# Altium PCB Remote.PcbDoc (part 1 of 2)
Units mm, origin at the board's own origin, x right, y up, seen from the top; angles counter-clockwise.
Board outline 100 x 100 mm, 2 copper layers (Top Layer, Bottom Layer); 130 components, 79 nets, 375 pads, 307 vias.
Unrouted connection lines stored in the file: 69.
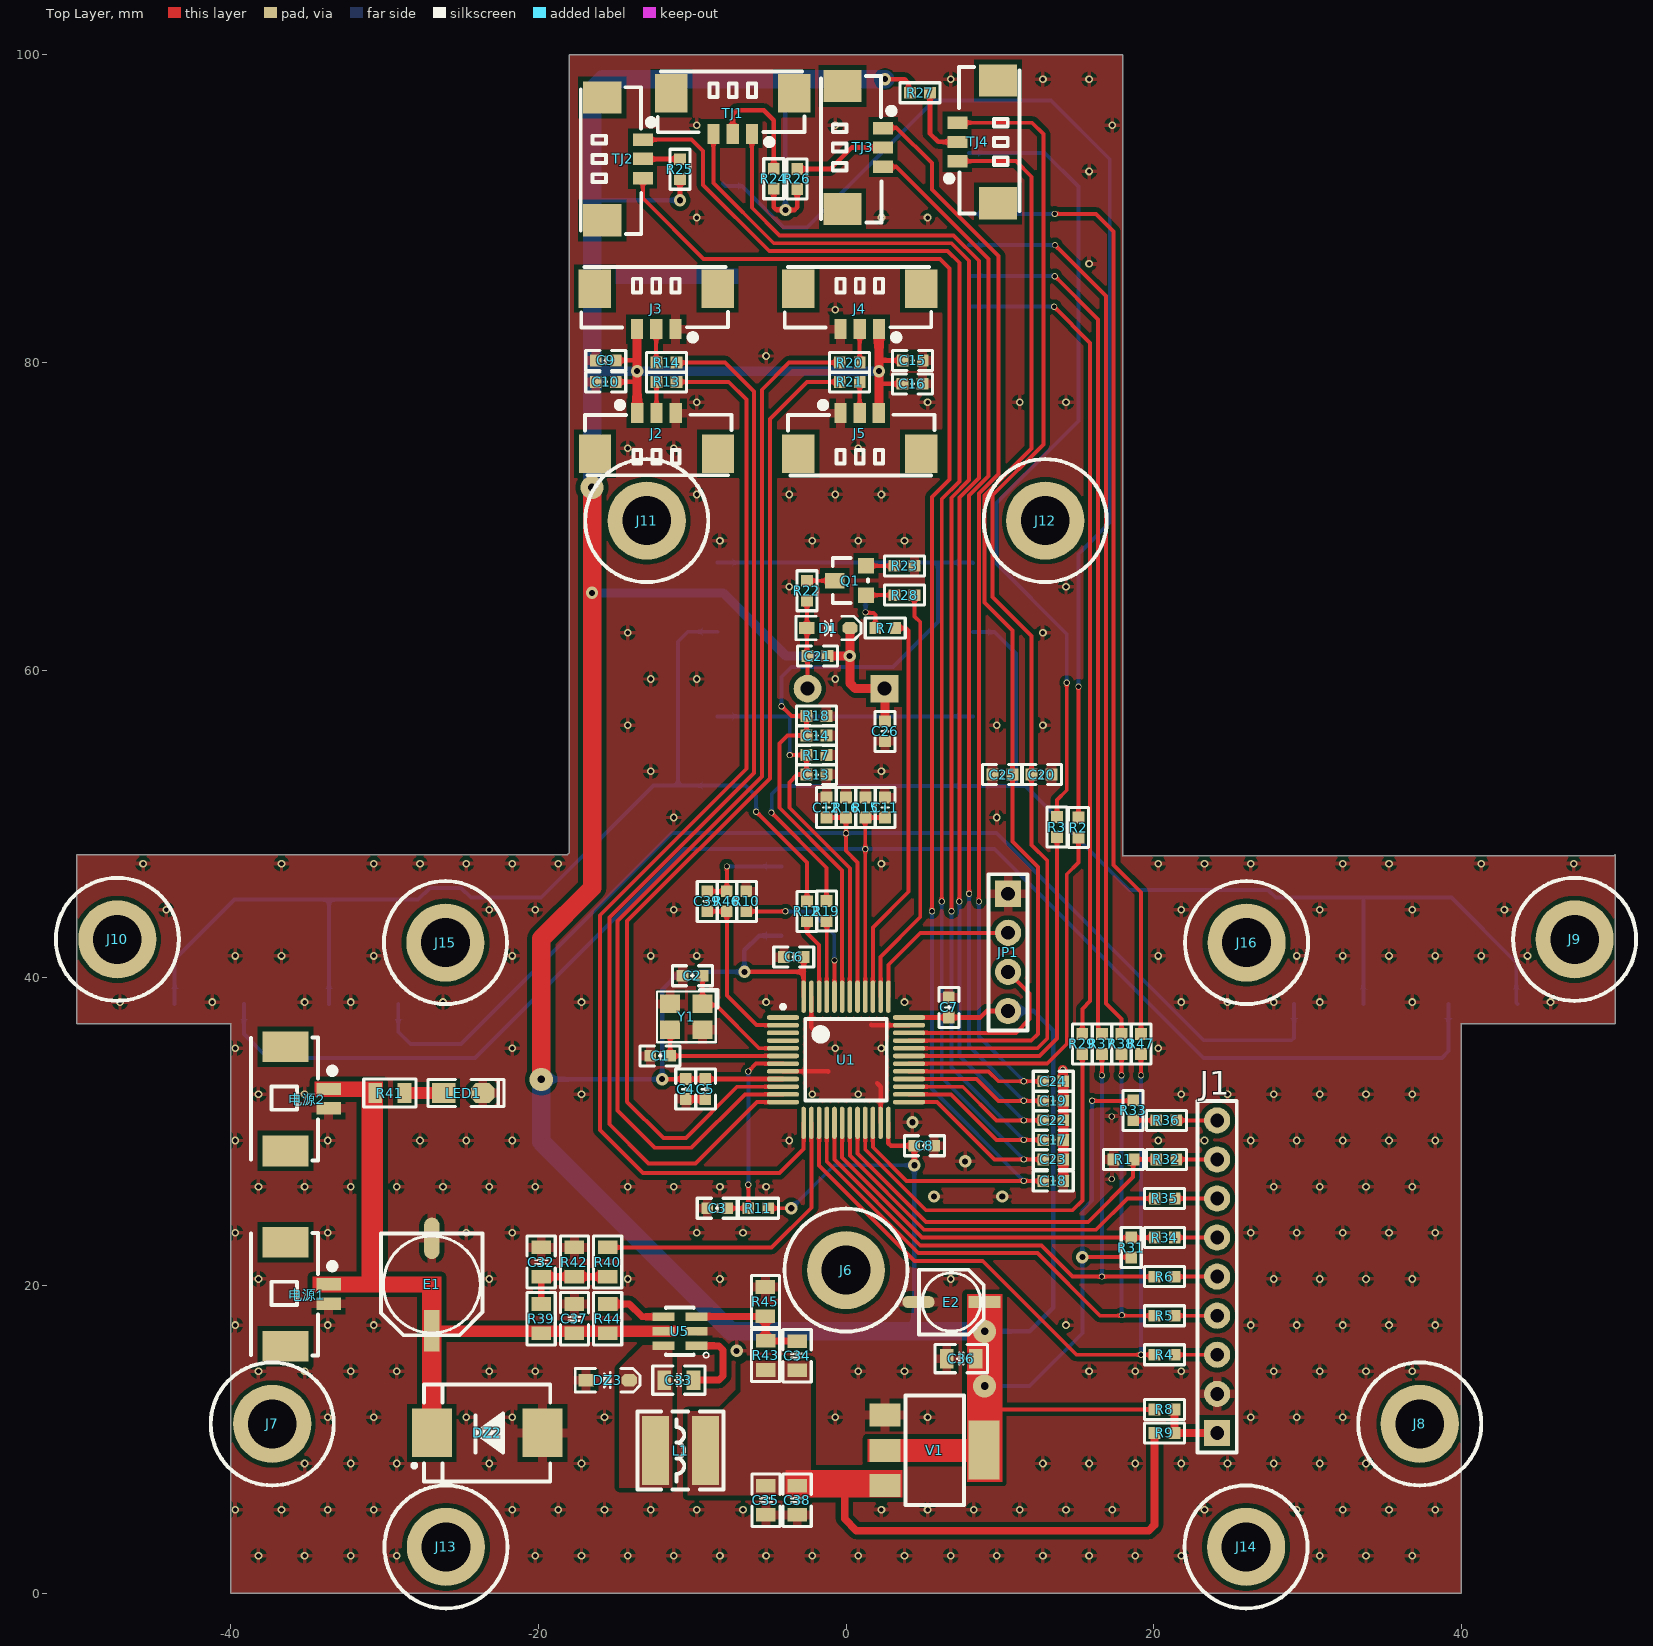
[diagram p0: Top Layer view]
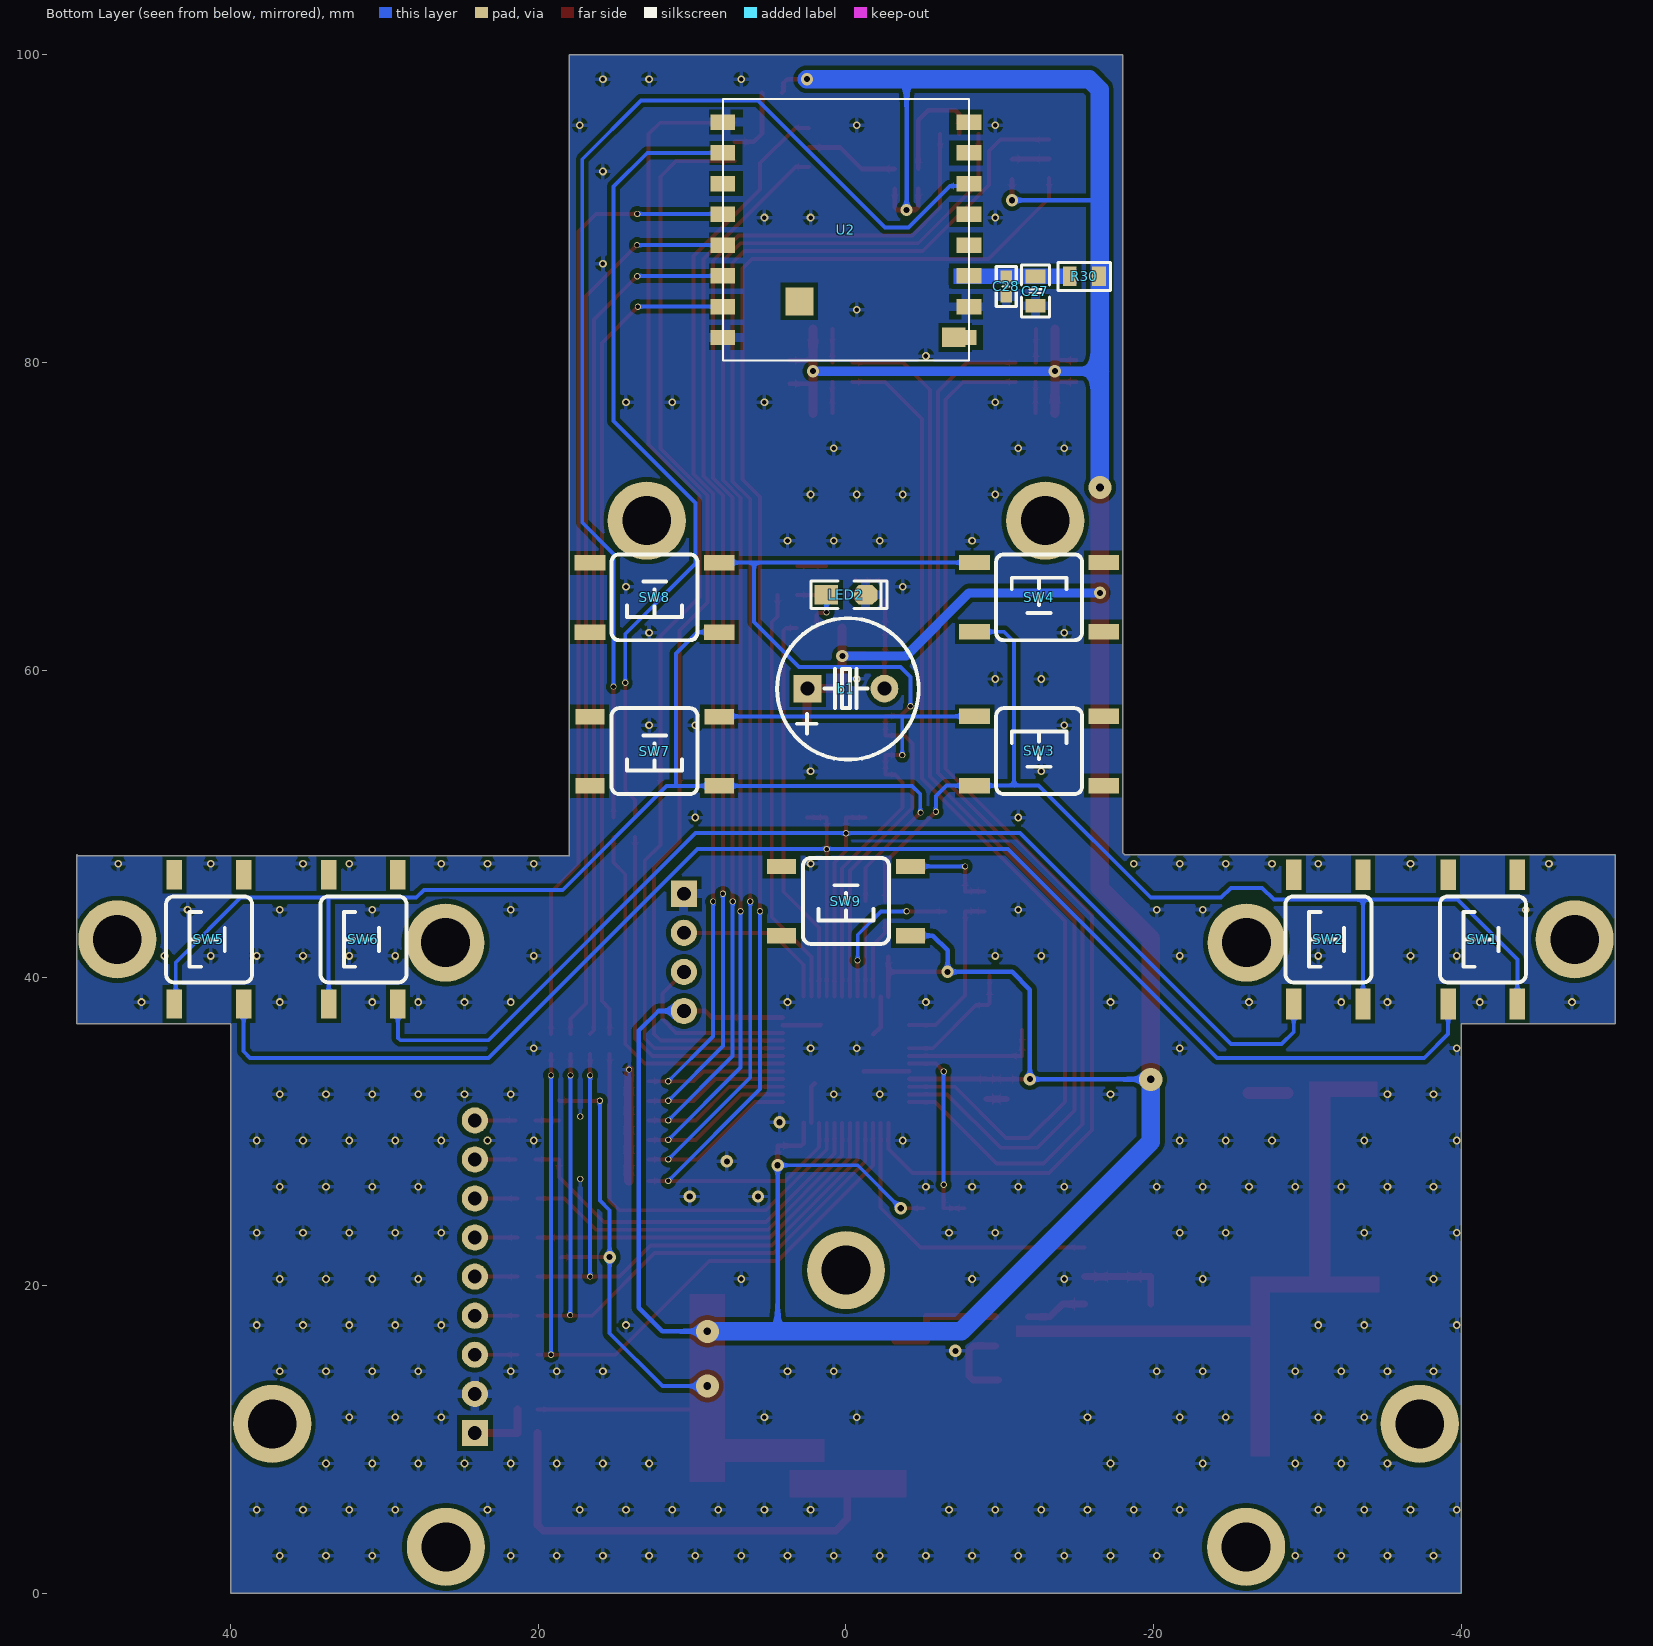
[diagram p1: Bottom Layer view, seen from below]

## Layer stack, top to bottom
Top Solder: solder mask 0.0102, Solder Resist, Dk 3.5
Top Layer: signal copper 0.0356
Dielectric 1: dielectric 0.32, FR-4, Dk 4.8
Bottom Layer: signal copper 0.0356
Bottom Solder: solder mask 0.0102, Solder Resist, Dk 3.5

## Board outline
-40,0 -40,37 -50,37 -50,48 -18.121,48 -18,48.121 -18,100 18,100 18,47.926 49.926,47.926 50,48 50,37 40,37 40,0

## Design rules (kind name [scope] priority, off if disabled: settings)
Clearance Clearance_34 [InNamedPolygon('GND_L02_P003')] p1: gap=0.3 ignorepadtopadclearanceinfootprint=FALSE
Clearance Clearance_33 [InNamedPolygon('NONET_L01_P003')] p2: gap=0.3 ignorepadtopadclearanceinfootprint=FALSE
Clearance Clearance_32 [InNamedPolygon('GND_L01_P002')] p3: gap=0.3 ignorepadtopadclearanceinfootprint=FALSE
Clearance Clearance_31 [InNamedPolygon('NETC33_1_L01_P000')] p4: gap=0.5 ignorepadtopadclearanceinfootprint=FALSE
Clearance Clearance_30 [InNamedPolygon('5V_L01_P001')] p5: gap=0.5 ignorepadtopadclearanceinfootprint=FALSE
Clearance Clearance_29 [InNamedPolygon('tg')] p6: gap=0.3 ignorepadtopadclearanceinfootprint=FALSE
Clearance Clearance_28 [InNamedPolygon('tg')] p7: gap=0.3 ignorepadtopadclearanceinfootprint=FALSE
Clearance Clearance_27 [InNamedPolygon('tg')] p8: gap=0.4 ignorepadtopadclearanceinfootprint=FALSE
Clearance Clearance_26 [InNamedPolygon('tg')] p9: gap=0.254 ignorepadtopadclearanceinfootprint=FALSE
Clearance Clearance_25 [InNamedPolygon('tg')] p10: gap=0.3 ignorepadtopadclearanceinfootprint=FALSE
Clearance Clearance_24 [InNamedPolygon('tg')] p11: gap=0.5 ignorepadtopadclearanceinfootprint=FALSE
Clearance Clearance_23 [InNamedPolygon('tg')] p12: gap=0.3 ignorepadtopadclearanceinfootprint=FALSE
Clearance Clearance_22 [InNamedPolygon('tg')] p13: gap=0.4 ignorepadtopadclearanceinfootprint=FALSE
Clearance Clearance_21 [InNamedPolygon('GND_L02_P007')] p14: gap=0.5 ignorepadtopadclearanceinfootprint=FALSE
Clearance Clearance_20 [InNamedPolygon('GND_L01_P006')] p15: gap=0.5 ignorepadtopadclearanceinfootprint=FALSE
Clearance Clearance_19 [InNamedPolygon('GND_L01_P006')] p16: gap=0.8 ignorepadtopadclearanceinfootprint=FALSE
Clearance Clearance_18 [InNamedPolygon('GND_L01_P006')] p17: gap=0.5 ignorepadtopadclearanceinfootprint=FALSE
Clearance Clearance_17 [InNamedPolygon('GND_L01_P006')] p18: gap=0.3 ignorepadtopadclearanceinfootprint=FALSE
Clearance Clearance_16 [InNamedPolygon('GND_L01_P005')] p19: gap=0.27 ignorepadtopadclearanceinfootprint=FALSE
Clearance Clearance_15 [InNamedPolygon('GND_L01_P005')] p20: gap=0.26 ignorepadtopadclearanceinfootprint=FALSE
Clearance Clearance_14 [OnLayer('Mechanical 1')] p21: gap=5 ignorepadtopadclearanceinfootprint=FALSE
Clearance Clearance_13 [OnLayer('Keep-Out Layer')] p22: gap=5 ignorepadtopadclearanceinfootprint=FALSE
Clearance Clearance_12 [InNamedPolygon('GND_L01_P004')] p23: gap=0.26 ignorepadtopadclearanceinfootprint=FALSE
Clearance Clearance_11 [InNamedPolygon('GND_L01_P004')] p24: gap=0.3 ignorepadtopadclearanceinfootprint=FALSE
Clearance Clearance_10 [InNamedPolygon('3V3_ICM_L01_P002')] p25: gap=0.15 ignorepadtopadclearanceinfootprint=FALSE
Clearance Clearance_9 [InNamedPolygon('3V3_ICM_L01_P002')] p26: gap=0.2 ignorepadtopadclearanceinfootprint=FALSE
Clearance Clearance_8 [InNamedPolygon('GND_L01_P003')] p27: gap=0.3 ignorepadtopadclearanceinfootprint=FALSE
Clearance Clearance_7 [InNamedPolygon('GND_L01_P003')] p28: gap=0.254 ignorepadtopadclearanceinfootprint=FALSE
Clearance Clearance_6 [InNamedPolygon('GND_L01_P003')] p29: gap=0.2 ignorepadtopadclearanceinfootprint=FALSE
Clearance Clearance_5 [InNamedPolygon('3V3_ICM_L01_P002')] p30: gap=0.254 ignorepadtopadclearanceinfootprint=FALSE except(0: Arc-Hole Track-Hole SMDPad-Hole THPad-Hole Via-Hole Fill-Hole Poly-Hole Region-Hole Text-Hole)
Clearance Clearance_4 [InNamedPolygon('3V3_ICM_L01_P002')] p31: gap=0.2 ignorepadtopadclearanceinfootprint=FALSE
Clearance Clearance_3 [InNamedPolygon('3V3_ICM_L01_P002')] p32: gap=0.2 ignorepadtopadclearanceinfootprint=FALSE
Clearance Clearance_2 [InNamedPolygon('GND_L01_P003')] p33: gap=0.3 ignorepadtopadclearanceinfootprint=FALSE
Clearance Clearance_1 [InNamedPolygon('3V3_ICM_L01_P002')] p34: gap=0.2 ignorepadtopadclearanceinfootprint=FALSE
Clearance [All] p35: gap=0.1 ignorepadtopadclearanceinfootprint=FALSE
HoleSize [All] p1: absolutevalues=TRUE maxlimit=10 minlimit=0.025 maxpercent=80.000 minpercent=20.000
MinimumSolderMaskSliver [All] p1: minsoldermaskwidth=0.1
PlaneConnect [All] p1: planeconnectstyle=Direct reliefexpansion=0.508 reliefentries=4 reliefconductorwidth=0.254 reliefairgap=0.254
PolygonConnect PolygonConnect_27 [All vs IsNamedPolygon('GND_L02_P003')] p1: thpad.connectstyle=Relief thpad.reliefconductorwidth=0.6 thpad.reliefentries=4 thpad.polygonreliefangle="90 Angle" thpad.airgapwidth=0.3 smdpad.connectstyle=Relief smdpad.reliefconductorwidth=0.6 smdpad.reliefentries=4 smdpad.polygonreliefangle="90 Angle" smdpad.airgapwidth=0.3 via.connectstyle=Relief via.reliefconductorwidth=0.254 via.reliefentries=4 via.polygonreliefangle="90 Angle" via.airgapwidth=0.254
PolygonConnect PolygonConnect_26 [All vs IsNamedPolygon('GND_L02_P003')] p2: thpad.connectstyle=Relief thpad.reliefconductorwidth=0.254 thpad.reliefentries=4 thpad.polygonreliefangle="90 Angle" thpad.airgapwidth=0.3 smdpad.connectstyle=Relief smdpad.reliefconductorwidth=0.254 smdpad.reliefentries=4 smdpad.polygonreliefangle="90 Angle" smdpad.airgapwidth=0.254 via.connectstyle=Relief via.reliefconductorwidth=0.254 via.reliefentries=4 via.polygonreliefangle="90 Angle" via.airgapwidth=0.254
PolygonConnect PolygonConnect_25 [All vs IsNamedPolygon('NONET_L01_P003')] p3: thpad.connectstyle=Relief thpad.reliefconductorwidth=0.6 thpad.reliefentries=4 thpad.polygonreliefangle="90 Angle" thpad.airgapwidth=0.3 smdpad.connectstyle=Relief smdpad.reliefconductorwidth=0.6 smdpad.reliefentries=4 smdpad.polygonreliefangle="90 Angle" smdpad.airgapwidth=0.3 via.connectstyle=Relief via.reliefconductorwidth=0.254 via.reliefentries=4 via.polygonreliefangle="90 Angle" via.airgapwidth=0.254
PolygonConnect PolygonConnect_24 [All vs IsNamedPolygon('GND_L01_P002')] p4: thpad.connectstyle=Relief thpad.reliefconductorwidth=0.6 thpad.reliefentries=4 thpad.polygonreliefangle="90 Angle" thpad.airgapwidth=0.3 smdpad.connectstyle=Relief smdpad.reliefconductorwidth=0.6 smdpad.reliefentries=4 smdpad.polygonreliefangle="90 Angle" smdpad.airgapwidth=0.3 via.connectstyle=Relief via.reliefconductorwidth=0.254 via.reliefentries=4 via.polygonreliefangle="90 Angle" via.airgapwidth=0.254
PolygonConnect PolygonConnect_23 [All vs IsNamedPolygon('GND_L01_P002')] p5: connectstyle=Relief reliefconductorwidth=0.5 reliefentries=4 polygonreliefangle="90 Angle" airgapwidth=0.254
PolygonConnect PolygonConnect_22 [All vs IsNamedPolygon('NONET_L01_P002')] p6: connectstyle=Relief reliefconductorwidth=0.45 reliefentries=4 polygonreliefangle="90 Angle" airgapwidth=0.3
PolygonConnect PolygonConnect_21 [All vs IsNamedPolygon('tg')] p7: thpad.connectstyle=Relief thpad.reliefconductorwidth=0.6 thpad.reliefentries=4 thpad.polygonreliefangle="90 Angle" thpad.airgapwidth=0.254 smdpad.connectstyle=Relief smdpad.reliefconductorwidth=0.6 smdpad.reliefentries=4 smdpad.polygonreliefangle="90 Angle" smdpad.airgapwidth=0.254 via.connectstyle=Relief via.reliefconductorwidth=0.254 via.reliefentries=4 via.polygonreliefangle="90 Angle" via.airgapwidth=0.254
PolygonConnect PolygonConnect_20 [All vs IsNamedPolygon('tg')] p8: thpad.connectstyle=Relief thpad.reliefconductorwidth=0.8 thpad.reliefentries=4 thpad.polygonreliefangle="90 Angle" thpad.airgapwidth=0.254 smdpad.connectstyle=Relief smdpad.reliefconductorwidth=0.8 smdpad.reliefentries=4 smdpad.polygonreliefangle="90 Angle" smdpad.airgapwidth=0.254 via.connectstyle=Relief via.reliefconductorwidth=0.254 via.reliefentries=4 via.polygonreliefangle="90 Angle" via.airgapwidth=0.254
PolygonConnect PolygonConnect_19 [All vs IsNamedPolygon('5V_L01_P001')] p9: connectstyle=Direct reliefconductorwidth=0.254 reliefentries=4 polygonreliefangle="90 Angle" airgapwidth=0.254
PolygonConnect PolygonConnect_18 [All vs IsNamedPolygon('5V_L01_P001')] p10: connectstyle=Relief reliefconductorwidth=0.8 reliefentries=4 polygonreliefangle="90 Angle" airgapwidth=0.254
PolygonConnect PolygonConnect_17 [All vs IsNamedPolygon('tg')] p11: thpad.connectstyle=Relief thpad.reliefconductorwidth=0.6 thpad.reliefentries=4 thpad.polygonreliefangle="90 Angle" thpad.airgapwidth=0.254 smdpad.connectstyle=Relief smdpad.reliefconductorwidth=0.254 smdpad.reliefentries=4 smdpad.polygonreliefangle="90 Angle" smdpad.airgapwidth=0.254 via.connectstyle=Relief via.reliefconductorwidth=0.254 via.reliefentries=4 via.polygonreliefangle="90 Angle" via.airgapwidth=0.254
PolygonConnect PolygonConnect_16 [All vs IsNamedPolygon('tg')] p12: thpad.connectstyle=Relief thpad.reliefconductorwidth=0.4 thpad.reliefentries=4 thpad.polygonreliefangle="90 Angle" thpad.airgapwidth=0.254 smdpad.connectstyle=Relief smdpad.reliefconductorwidth=0.254 smdpad.reliefentries=4 smdpad.polygonreliefangle="90 Angle" smdpad.airgapwidth=0.254 via.connectstyle=Relief via.reliefconductorwidth=0.254 via.reliefentries=4 via.polygonreliefangle="90 Angle" via.airgapwidth=0.254
PolygonConnect PolygonConnect_15 [All vs IsNamedPolygon('5V_L01_P001')] p13: connectstyle=Direct reliefconductorwidth=0.254 reliefentries=4 polygonreliefangle="90 Angle" airgapwidth=0.254
PolygonConnect PolygonConnect_14 [All vs IsNamedPolygon('5V_L01_P001')] p14: thpad.connectstyle=Direct thpad.reliefconductorwidth=0.254 thpad.reliefentries=4 thpad.polygonreliefangle="90 Angle" thpad.airgapwidth=0.254 smdpad.connectstyle=Relief smdpad.reliefconductorwidth=0.254 smdpad.reliefentries=4 smdpad.polygonreliefangle="90 Angle" smdpad.airgapwidth=0.254 via.connectstyle=Relief via.reliefconductorwidth=0.254 via.reliefentries=4 via.polygonreliefangle="90 Angle" via.airgapwidth=0.254
PolygonConnect PolygonConnect_13 [All vs IsNamedPolygon('NETC33_1_L01_P000')] p15: connectstyle=Direct reliefconductorwidth=0.254 reliefentries=4 polygonreliefangle="90 Angle" airgapwidth=0.254
PolygonConnect PolygonConnect_12 [All vs IsNamedPolygon('NETC33_1_L01_P000')] p16: thpad.connectstyle=Direct thpad.reliefconductorwidth=0.254 thpad.reliefentries=4 thpad.polygonreliefangle="90 Angle" thpad.airgapwidth=0.254 smdpad.connectstyle=Relief smdpad.reliefconductorwidth=0.254 smdpad.reliefentries=4 smdpad.polygonreliefangle="90 Angle" smdpad.airgapwidth=0.254 via.connectstyle=Relief via.reliefconductorwidth=0.254 via.reliefentries=4 via.polygonreliefangle="90 Angle" via.airgapwidth=0.254
PolygonConnect PolygonConnect_11 [All vs IsNamedPolygon('NETC33_1_L01_P000')] p17: thpad.connectstyle=Direct thpad.reliefconductorwidth=0.254 thpad.reliefentries=4 thpad.polygonreliefangle="90 Angle" thpad.airgapwidth=0.254 smdpad.connectstyle=Relief smdpad.reliefconductorwidth=0.254 smdpad.reliefentries=4 smdpad.polygonreliefangle="90 Angle" smdpad.airgapwidth=0.254 via.connectstyle=Relief via.reliefconductorwidth=0.254 via.reliefentries=4 via.polygonreliefangle="90 Angle" via.airgapwidth=0.254
PolygonConnect PolygonConnect_10 [All vs IsNamedPolygon('NETC33_1_L01_P000')] p18: thpad.connectstyle=Direct thpad.reliefconductorwidth=0.254 thpad.reliefentries=4 thpad.polygonreliefangle="90 Angle" thpad.airgapwidth=0.254 smdpad.connectstyle=Relief smdpad.reliefconductorwidth=0.254 smdpad.reliefentries=4 smdpad.polygonreliefangle="90 Angle" smdpad.airgapwidth=0.254 via.connectstyle=Relief via.reliefconductorwidth=0.254 via.reliefentries=4 via.polygonreliefangle="90 Angle" via.airgapwidth=0.254
PolygonConnect PolygonConnect_9 [All vs IsNamedPolygon('GND_L02_P007')] p19: connectstyle=Direct reliefconductorwidth=0.254 reliefentries=4 polygonreliefangle="90 Angle" airgapwidth=0.254
PolygonConnect PolygonConnect_8 [All vs IsNamedPolygon('GND_L01_P006')] p20: connectstyle=Direct reliefconductorwidth=0.254 reliefentries=4 polygonreliefangle="90 Angle" airgapwidth=0.254
PolygonConnect PolygonConnect_7 [All vs IsNamedPolygon('GND_L01_P005')] p21: connectstyle=Direct reliefconductorwidth=0.254 reliefentries=4 polygonreliefangle="90 Angle" airgapwidth=0.254
PolygonConnect PolygonConnect_6 [All vs IsNamedPolygon('GND_L01_P004')] p22: connectstyle=Direct reliefconductorwidth=0.254 reliefentries=4 polygonreliefangle="90 Angle" airgapwidth=0.254
PolygonConnect PolygonConnect_5 [All vs IsNamedPolygon('GND_L01_P003')] p23: connectstyle=Direct reliefconductorwidth=0.254 reliefentries=4 polygonreliefangle="90 Angle" airgapwidth=0.254
PolygonConnect PolygonConnect_4 [All vs IsNamedPolygon('3V3_ICM_L01_P002')] p24: connectstyle=Direct reliefconductorwidth=0.254 reliefentries=4 polygonreliefangle="90 Angle" airgapwidth=0.254
PolygonConnect PolygonConnect_3 [All vs IsNamedPolygon('3V3_ICM_L01_P002')] p25: connectstyle=Direct reliefconductorwidth=0.254 reliefentries=4 polygonreliefangle="90 Angle" airgapwidth=0.254
PolygonConnect PolygonConnect_2 [All vs IsNamedPolygon('12V_L02_P001')] p26: connectstyle=Direct reliefconductorwidth=0.254 reliefentries=4 polygonreliefangle="90 Angle" airgapwidth=0.254
PolygonConnect PolygonConnect_1 [All vs IsNamedPolygon('12V_L01_P000')] p27: connectstyle=Direct reliefconductorwidth=0.254 reliefentries=4 polygonreliefangle="90 Angle" airgapwidth=0.254
PolygonConnect [All] p28: connectstyle=Relief reliefconductorwidth=0.254 reliefentries=4 polygonreliefangle="90 Angle" airgapwidth=0.254
RoutingVias [All] p1: holewidth=0.2 width=0.3 viastyle="Through Hole" minholewidth=0.15 minwidth=0.25 maxholewidth=0.711 maxwidth=1.27
SilkToSilkClearance [All] p1: silktosilkclearance=0
SilkToSolderMaskClearance [IsPad] p1: minsilkscreentomaskgap=0 clearancetoexposedcopper=TRUE
SolderMaskExpansion [All] p1: expansion=0.102 istentingtop=FALSE
Width [All] p1: maxlimit=10 minlimit=0.1 preferedwidth=0.254
25 further rules are at their usual default settings.

## Classes and differential pairs
component class POWER: C32 C33 C34 C35 C36 C37 C38 C39 DZ2 DZ3 E1 E2 L1 LED1 R39 R40 R41 R42 R43 R44 R45 R46 SW9 U5 V1 电源1 电源2
component class COMMUNICATION: C27 C28 R29 R30 R37 R38 R47 U2
component class INPUT: b1 C9 C10 C11 C12 C13 C14 C15 C16 C17 C18 C19 C20 C21 C22 C23 C24 C25 C26 D1 J2 J3 J4 J5 J6 J7 J8 J9 J10 J11 J12 J13 J14 J15 J16 Q1 R12 R13 R14 R15 R16 R17 R18 R19 R20 R21 R22 R23 R24 R25 R26 R27 R28 SW1 SW2 SW3 SW4 SW5 SW6 SW7 SW8 TJ1 TJ2 TJ3 TJ4
component class MCU: C1 C2 C3 C4 C5 C6 C7 C8 J1 JP1 LED2 R1 R2 R3 R4 R5 R6 R7 R8 R9 R10 R11 R31 R32 R33 R34 R35 R36 U1 Y1

## Components (designator, comment, footprint, x,y, rotation, side; value= is the part's Value field where it differs from the comment)
b1 "BELL" "BEEP 5x9x5.5" 0,58.801 r270 bottom locked
C1 "22pF" "C 0603_L" -12.08,34.925 r0 top
C2 "22pF" "C 0603_L" -9.98,40.132 r0 top
C3 "100nF" "C 0603_L" -8.372,25.019 r180 top
C4 "4.7uF" "C 0603_L" -10.414,32.766 r270 top
C5 "100nF" "C 0603_L" -9.144,32.766 r270 top
C6 "100nF" "C 0603_L" -3.4,41.358 r180 top
C7 "100nF" "C 0603_L" 6.687,38.071 r90 top
C8 "100nF" "C 0603_L" 5.095,29.083 r0 top
C9 "100nF" "C 0603_L" -15.621,80.137 r180 top
C10 "100nF" "C 0603_L" -15.621,78.74 r0 top
C11 "100nF" "C 0603_L" 2.54,51.069 r270 top
C12 "100nF" "C 0603_L" -1.27,51.069 r270 top
C13 "100nF" "C 0603_L" -1.92,53.213 r180 top
C14 "100nF" "C 0603_L" -1.92,55.753 r180 top
C15 "100nF" "C 0603_L" 4.333,80.137 r0 top
C16 "100nF" "C 0603_L" 4.318,78.613 r180 top
C17 "100nF" "C 0603_L" 13.477,29.464 r0 top
C18 "100nF" "C 0603_L" 13.477,26.797 r0 top
C19 "100nF" "C 0603_L" 13.477,32.004 r0 top
C20 "100nF" "C 0603_L" 12.715,53.213 r0 top
C21 "100nF" "C 0603_L" -1.85,60.92 r0 top
C22 "100nF" "C 0603_L" 13.477,30.734 r0 top
C23 "100nF" "C 0603_L" 13.477,28.194 r0 top
C24 "100nF" "C 0603_L" 13.477,33.274 r0 top
C25 "100nF" "C 0603_L" 10.175,53.213 r180 top
C26 "100nF" "C 0603_L" 2.54,56.022 r90 top
C27 "4.7uF" "C 0805_L" -12.319,84.648 r270 bottom
C28 "100nF" "C 0603_L" -10.414,84.948 r270 bottom
C32 "100nF" "C 0805_L" -19.812,21.524 r270 top
C33 "100nF" "C 0805_L" -10.861,13.843 r0 top
C34 "100pF" "C 0805_L" -3.175,15.428 r270 top
C35 "22uF" "C 0805_L" -5.207,6.035 r90 top
C36 "22uF" "C 0805_L" 7.493,15.24 r0 top
C37 "10uF" "C 0805_L" -17.653,17.841 r270 top
C38 "10uF" "C 0805_L" -3.175,6.035 r90 top
C39 "100nF" "C 0603_L" -9.017,44.973 r270 top
D1 "B5819WS" SOD-323 -1.14,62.738 r0 top
DZ2 "SMDJ15A" SMC -23.324,10.414 r180 top
DZ3 "B5819WS" SOD-323 -15.497,13.843 r0 top
E1 "47uF/30V" "CM D(6.3*7.7)" -26.924,20.066 r270 top
E2 "47uF/10V" "CM B(4*5.4)" 6.858,18.923 r0 top
J1 "CON9" HDR2.54-Y-LI-9P 24.13,20.574 r90 top
J2 "TJC3-3Y" "MX 1.25-LS-3P" -16.058,74.447 r0 top locked
J3 "TJC3-3Y" "MX 1.25-LS-3P" -8.6,84.43 r180 top locked
J4 "TJC3-3Y" "MX 1.25-LS-3P" 4.628,84.43 r180 top locked
J5 "TJC3-3Y" "MX 1.25-LS-3P" -2.85,74.447 r0 top locked
J6 "CON1" M3x5+6_L 0,21 r0 top locked
J7 "CON1" M3x5+6_L -37.3,11 r0 top locked
J8 "CON1" M3x5+6_L 37.3,11 r0 top locked
J9 "CON1" M3x5+6_L 47.371,42.5 r0 top locked
J10 "CON1" M3x5+6_L -47.371,42.5 r0 top locked
J11 "CON1" M3x5+6_L -12.954,69.723 r0 top
J12 "CON1" M3x5+6_L 12.954,69.723 r0 top
J13 "CON1" M3x5+6_L -26.005,3 r0 top locked
J14 "CON1" M3x5+6_L 26.005,3 r0 top locked
J15 "CON1" M3x5+6_L -26.038,42.291 r0 top locked
J16 "CON1" M3x5+6_L 26.038,42.291 r0 top locked
JP1 "HDR-1X4" HDR2.54-LI-4P 10.541,41.656 r270 top
L1 "6.8uH" CD42 -10.769,9.271 r0 top
LED1 "红色" "LED 0805R" -24.892,32.512 r0 top
LED2 "红色" "LED 0805G" 0,64.897 r180 bottom locked
Q1 "2N7002" SOT-23 1.316,64.752 r90 top
R1 "10K" "R 0603_L" 18.034,28.194 r180 top
R2 "0R" "R 0603_L" 15.113,49.769 r90 top
R3 "0R" "R 0603_L" 13.716,49.799 r90 top
R4 "0R" "R 0603_L" 20.701,15.494 r0 top
R5 "0R" "R 0603_L" 20.701,18.034 r0 top
R6 "0R" "R 0603_L" 20.701,20.574 r0 top
R7 "" "R 0603_L" 2.555,62.738 r180 top
R8 "0R" "R 0603_L" 20.701,11.938 r180 top
R9 "0R" "R 0603_L" 20.701,10.414 r180 top
R10 "10K" "R 0603_L" -6.477,44.973 r270 top
R11 "10K" "R 0603_L" -5.7,25.019 r0 top
R12 "10K" "R 0603_L" -2.54,44.323 r270 top
R13 "" "R 0603_L" -11.669,78.74 r0 top
R14 "" "R 0603_L" -11.669,79.995 r0 top
R15 "10K" "R 0603_L" 1.27,51.069 r90 top
R16 "10K" "R 0603_L" 0,51.069 r90 top
R17 "10K" "R 0603_L" -1.92,54.483 r0 top
R18 "10K" "R 0603_L" -1.92,57.023 r0 top
R19 "10K" "R 0603_L" -1.27,44.338 r270 top
R20 "" "R 0603_L" 0.239,79.995 r180 top
R21 "" "R 0603_L" 0.239,78.74 r180 top
R22 "1K" "R 0603_L" -2.54,65.166 r90 top
R23 "0R" "R 0603_L" 3.804,66.781 r180 top
R24 "" "R 0603_L" -4.699,91.948 r270 top
R25 "" "R 0603_L" -10.795,92.568 r270 top
R26 "" "R 0603_L" -3.175,91.933 r270 top
R27 "" "R 0603_L" 4.811,97.536 r180 top
R28 "1K" "R 0603_L" 3.804,64.876 r180 top
R29 "0R" "R 0603_L" 15.367,35.702 r90 top
R30 "600Ω 100Mhz" "R 0805_L" -15.494,85.598 r0 bottom
R31 "10k" "R 0603_L" 18.542,22.464 r90 top
R32 "0R" "R 0603_L" 20.828,28.194 r0 top
R33 "10k" "R 0603_L" 18.669,31.384 r270 top
R34 "0R" "R 0603_L" 20.716,23.114 r0 top
R35 "0R" "R 0603_L" 20.716,25.654 r0 top
R36 "0R" "R 0603_L" 20.828,30.734 r180 top
R37 "0R" "R 0603_L" 16.637,35.702 r90 top
R38 "0R" "R 0603_L" 17.907,35.702 r90 top
R39 "1.8k" "R 0805_L" -19.812,17.841 r270 top
R40 "0R" "R 0805_L" -15.494,21.524 r90 top
R41 "" "R 0805_L" -29.652,32.512 r0 top
R42 "300R" "R 0805_L" -17.653,21.524 r90 top
R43 "5.1k" "R 0805_L" -5.223,15.449 r270 top
R44 "1M" "R 0805_L" -15.494,17.841 r90 top
R45 "1k" "R 0805_L" -5.24,18.951 r270 top
R46 "10K" "R 0603_L" -7.747,44.973 r90 top
R47 "0R" "R 0603_L" 19.177,35.702 r90 top
SW1 "6x6x5" "TSW SMD-6*6*5-L"#1 -41.402,42.5 r90 bottom locked
SW2 "6x6x5" "TSW SMD-6*6*5-L"#1 -31.369,42.5 r90 bottom locked
SW3 "6x6x5" "TSW SMD-6*6*5-L"#1 -12.554,54.737 r180 bottom
SW4 "6x6x5" "TSW SMD-6*6*5-L"#1 -12.554,64.737 r180 bottom
SW5 "6x6x5" "TSW SMD-6*6*5-L"#2 41.402,42.5 r90 bottom
SW6 "6x6x5" "TSW SMD-6*6*5-L"#2 31.369,42.5 r90 bottom locked
SW7 "6x6x5" "TSW SMD-6*6*5-L"#2 12.446,54.737 r0 bottom locked
SW8 "6x6x5" "TSW SMD-6*6*5-L"#1 12.446,64.737 r0 bottom
SW9 "6x6x5" "TSW SMD-6*6*5-L"#2 0,45 r0 bottom locked
TJ1 "TJC3-3Y" "MX 1.25-LS-3P" -3.627,97.13 r180 top locked
TJ2 "TJC3-3Y" "MX 1.25-LS-3P" -15.469,96.977 r270 top locked
TJ3 "TJC3-3Y" "MX 1.25-LS-3P" 0.152,97.719 r270 top locked
TJ4 "TJC3-3Y" "MX 1.25-LS-3P" 9.5,90.602 r90 top locked
U1 "STM32F103C8" LQFP-48_M 0,34.671 r0 top locked
U2 "Ra-01S" RA-01SCH-P-TJFZ -7.999,97.13 r0 bottom
U5 "ME3116" SOT23-6 -10.795,17.018 r270 top
V1 "AMS1117-3V3" SOT-223 5.842,9.35 r270 top
Y1 "8M" "OSC 3225-4P" -10.38,37.465 r180 top
电源1 "TJC3-2Y" "MX 1.25-WS-2P" -36.449,19.431 r270 top
电源2 "TJC3-2Y" "MX 1.25-WS-2P" -36.449,32.131 r270 top

## Footprints (in the part's own frame and the unit in brackets; to place one, negate y for a bottom-side part, rotate by r counter-clockwise, add the part's x,y. Pads: shape width x height; smd on the part's side, far side on the other; paste and mask are expansions set on the pad)
"BEEP 5x9x5.5" [mm] "5*9*5.5mm(脚距,直径,高度)"
  rect 1.8x1.8 hole 0.9: 1(0,-2.5)
  round 1.8 hole 0.9: 2(0,2.5)
  silkscreen extent -4.57,-4.47 4.62,4.73, body extent -4.5,-4.5 4.5,4.5, height 5.45
"C 0603_L" [mil] "无极性贴片电容"
  rect 30x30 smd: 1(-25.59,0) 2(25.59,0)
  silkscreen extent -51,-26 51,26, body extent -31,-16 31,16, height 32
"C 0805_L" [mil] "无极性贴片电容"
  rect 35x50 smd: 1(-37.4,0) 2(37.4,0)
  silkscreen extent -67,-36 67,36, body extent -39,-24 39,24, height 20
CD42 [mm] "4.5*4*2mm（长宽高）"
  rect 1.75x4.5 smd: 1(-1.625,0) 2(1.625,0)
  silkscreen extent -2.79,-2.54 2.79,2.54, body extent -2.21,-2 2.21,2, height 2.1
"CM B(4*5.4)" [mm] "贴片电解电容，直径4mm，高5.4mm"
  rect 2.1x0.8 smd: 1(2.15,0)
  oval 2.1x0.8 smd: 2(-2.15,0)
  silkscreen extent -2.1,-2.1 2.1,2.1, body extent -2.3,-2.12 2.3,2.18, height 5.4
"CM D(6.3*7.7)" [mm] "贴片电解电容，直径6.3mm，高7.7mm"
  rect 2.7x1 smd: 1(3,0)
  oval 2.7x1 smd: 2(-3,0)
  silkscreen extent -3.3,-3.3 3.3,3.3, body extent -3.5,-3.3 3.5,3.3, height 7.7
HDR2.54-LI-4P [mm] "排针，4脚"
  rect 1.7x1.7 hole 0.9: 1(-3.81,0)
  round 1.7 hole 0.9: 2(-1.27,0) 3(1.27,0) 4(3.81,0)
  silkscreen extent -5.08,-1.27 5.08,1.27, body extent -5.08,-1.27 5.08,1.27, height 8.5
HDR2.54-Y-LI-9P [mm] "圆孔排母，9脚"
  rect 1.7x1.7 hole 0.9: 1(-10.16,0)
  round 1.7 hole 0.9: 2(-7.62,0) 3(-5.08,0) 4(-2.54,0) 5(0,0) 6(2.54,0) 7(5.08,0) 8(7.62,0) 9(10.16,0)
  silkscreen extent -11.43,-1.27 11.43,1.27, body extent -11.43,-1.27 11.43,1.27, height 4.31
"LED 0805G" [mil] "绿色0805LED"
  rect 60x50 smd: 1(-50,0)
  oct 60x50 smd: 2(50,0)
  silkscreen extent -90,-35 105,35, body extent -39,-25 39,25, height 32
"LED 0805R" [mil] "红色0805LED"
  rect 60x50 smd: 1(-50,0)
  oct 60x50 smd: 2(50,0)
  silkscreen extent -90,-35 105,35, body extent -39,-25 39,25, height 32
LQFP-48_M [mm] "Thin QFP, 48-Leads, Body 7x7mm, Pitch 0.5mm, IPC Low Density"
  oval 2.1x0.3 smd: 1(-4.1,2.75) 2(-4.1,2.25) 3(-4.1,1.75) 4(-4.1,1.25) 5(-4.1,0.75) 6(-4.1,0.25) 7(-4.1,-0.25) 8(-4.1,-0.75) 9(-4.1,-1.25) 10(-4.1,-1.75) 11(-4.1,-2.25) 12(-4.1,-2.75) 25(4.1,-2.75) 26(4.1,-2.25) 27(4.1,-1.75) 28(4.1,-1.25) 29(4.1,-0.75) 30(4.1,-0.25) 31(4.1,0.25) 32(4.1,0.75) 33(4.1,1.25) 34(4.1,1.75) 35(4.1,2.25) 36(4.1,2.75)
  oval 0.3x2.1 smd: 13(-2.75,-4.1) 14(-2.25,-4.1) 15(-1.75,-4.1) 16(-1.25,-4.1) 17(-0.75,-4.1) 18(-0.25,-4.1) 19(0.25,-4.1) 20(0.75,-4.1) 21(1.25,-4.1) 22(1.75,-4.1) 23(2.25,-4.1) 24(2.75,-4.1) 37(2.75,4.1) 38(2.25,4.1) 39(1.75,4.1) 40(1.25,4.1) 41(0.75,4.1) 42(0.25,4.1) 43(-0.25,4.1) 44(-0.75,4.1) 45(-1.25,4.1) 46(-1.75,4.1) 47(-2.25,4.1) 48(-2.75,4.1)
  silkscreen extent -4.22,-2.65 2.65,3.57, body extent -3.5,-3.5 3.5,3.5, height 1.6
M3x5+6_L [mm] "M3铜柱，长：5mm，螺纹长：6mm"
  round 5.08 hole 3.175: 1(0,0)
  silkscreen extent -4,-4 4,4, body extent -2.7,-2.35 2.7,2.35, height 5.05
"MX 1.25-LS-3P" [mm] "长：8.5m，宽：3.7mm，高：4.7mm"
  rect 2.1x2.5 smd: 0(-0.254,-0.381) 0(7.732,-0.381)
  rect 0.8x1.3 smd: 1(2.489,2.261) 2(3.739,2.261) 3(4.989,2.261)
  silkscreen extent -0.92,-1.78 8.61,2.99, body extent -0.7,-1.6 8.2,2.5, height 4.7
"MX 1.25-WS-2P" [mm] "长：7.65mm，宽：4.2mm，高：3.4mm"
  rect 2x3 smd: 0(-3.382,0) 0(3.382,0)
  rect 0.8x1.6 smd: 1(-0.639,2.811) 2(0.611,2.811)
  silkscreen extent -3.98,-2.23 4,3.25, body extent -3.83,-2.1 3.83,3.09, height 3.4
"OSC 3225-4P" [mm] "3.2*2.5*0.7mm(长宽高)"
  rect 1.3x1.2 smd: 1(-1.05,-0.85) 2(1.05,-0.85) 3(1.05,0.85) 4(-1.05,0.85)
  silkscreen extent -2.03,-1.75 1.91,1.65, body extent -1.6,-1.25 1.6,1.25, height 0.7
"R 0603_L" [mil] "1/10W贴片电阻"
  rect 30x30 smd: 1(-25.59,0) 2(25.59,0)
  silkscreen extent -51,-26 51,26, body extent -31,-16 32,16, height 16
"R 0805_L" [mil] "1/8W贴片电阻"
  rect 35x50 smd: 1(-37.4,0) 2(37.4,0)
  silkscreen extent -67,-36 67,36, body extent -39,-25 39,25, height 20
RA-01SCH-P-TJFZ [mm]
  rrect0% 1x1 smd: 1(0,15.5)
  rect 1.524x1.27 smd: 1/1(1,15.5)
  rect 1.6x1 smd: 2(0,13.5) 3(0,11.5) 4(0,9.5) 5(0,7.5) 6(0,5.5) 7(0,3.5) 8(0,1.5) 9(16,1.5) 10(16,3.5) 11(16,5.5) 12(16,7.5) 13(16,9.5) 14(16,11.5) 15(16,13.5) 16(16,15.5)
  rect 1.8x1.8 smd: 17(11.025,13.157)
  silkscreen extent 0,0 16,17
SMC [mm] "7.1x5.9*2.3mm（长宽高，不包括引脚）"
  rect 2.6x3.15 smd: 1(-3.6,0) 2(3.6,0)
  silkscreen extent -4.1,-3.15 4.87,3.15, body extent -3.95,-2.9 3.95,2.9, height 2.45
SOD-323 [mm] "1.8x1.3X0.9mm（长宽高，不包括引脚）"
  rect 1x0.8 smd: 1(-1.4,0)
  oct 1x0.8 smd: 2(1.4,0)
  silkscreen extent -2.11,-0.76 2.11,0.76, body extent -1.34,-0.63 1.31,0.67, height 1
SOT23-6 [mm] "SOT-23/SC-74A; 5 Leads; Body 3.1 x 3 mm, inc. leads (LxW max)"
  rect 0.55x1.45 smd: 1(0.95,1.075) 2(0,1.075) 3(-0.95,1.075) 4(-0.95,-1.075) 5(0,-1.075) 6(0.95,-1.075)
  silkscreen extent -1.55,-0.9 1.73,1.88, body extent -1.43,-1.2 1.49,1.14, height 1
SOT-23 [mil]
  rect 40x40 smd: 1(4.88,0.63) 2(79.88,0.63)
  rect 40x50 smd: 3(41.88,80.63)
  silkscreen extent -15,-4 100,86, body extent -15,-11 99,99, height 47
SOT-223 [mil]
  rect 59x79 smd: 1(-88,-130) 2(2.55,-130) 3(93.1,-130)
  rect 150x79 smd: ""(1.88,123.54)
  silkscreen extent -137,-78 143,72, body extent -126,-139 130,135, height 67
"TSW SMD-6*6*5-L"#1 [mm] "6*6*5mm"
  rect 2x1 smd: 1(-4.2,2.261) 2(-4.2,-2.239) 3(4.2,-2.239) 4(4.2,2.261)
  silkscreen extent -2.79,-2.79 2.79,2.79, body extent -4.5,-3 4.5,3, height 4.95
"TSW SMD-6*6*5-L"#2 [mm] "6*6*5mm"
  rect 1.9x1 smd: 1(-4.2,2.261) 2(-4.2,-2.239) 3(4.2,-2.239) 4(4.2,2.261)
  silkscreen extent -2.79,-2.79 2.79,2.79, body extent -4.5,-3 4.5,3, height 4.95